# Altium PCB блок вычислительный_v1.PcbDoc (part 1 of 2) (continued)
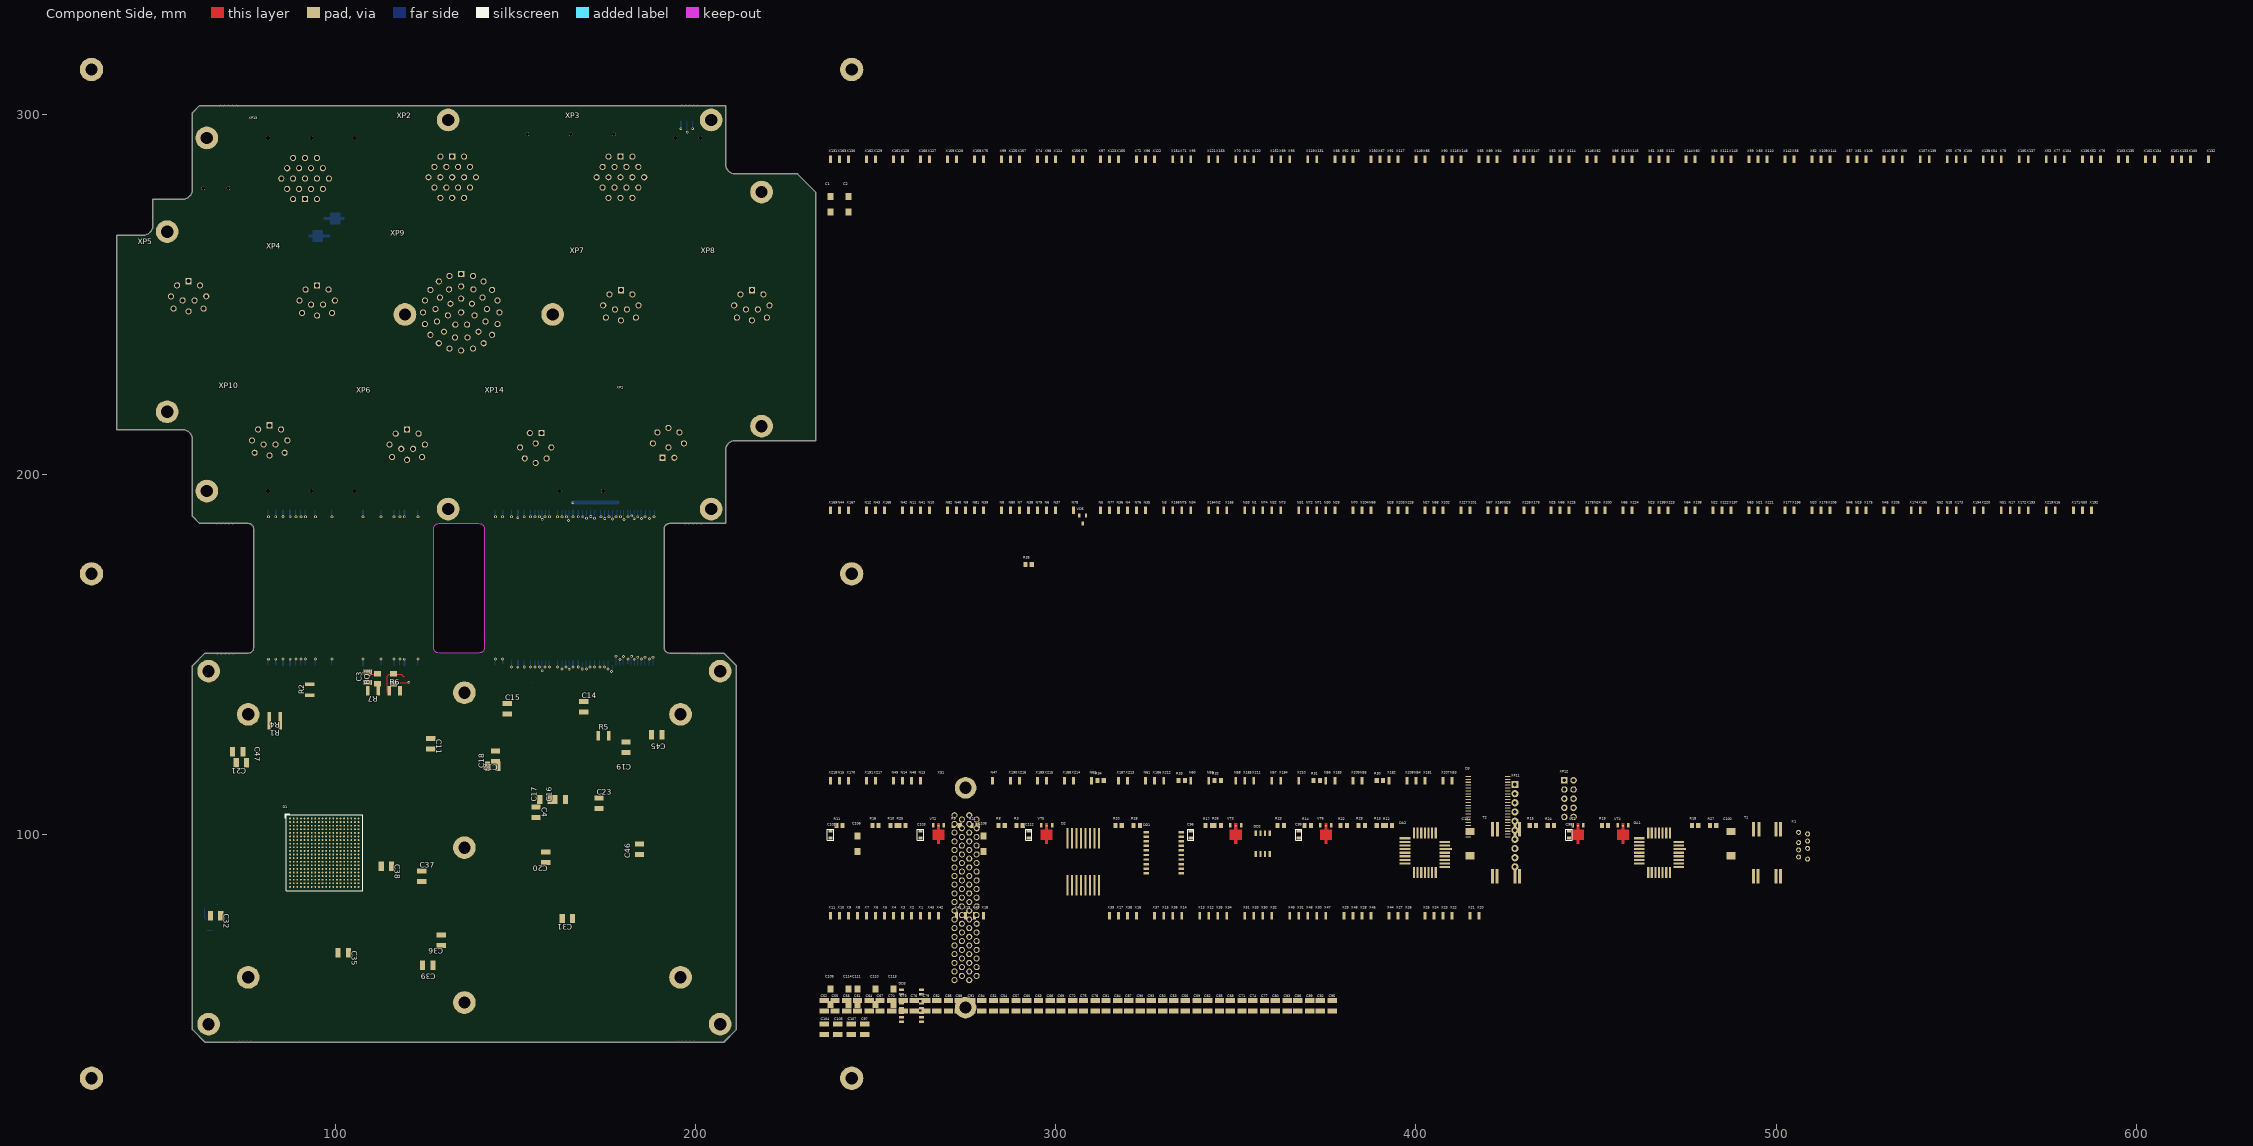
[diagram p0: Component Side view]
## Components (designator, comment, footprint, x,y, rotation, side; value= is the part's Value field where it differs from the comment) (continued)
R20 "47кОм" P1-12-0.125(0805) 317.5,102.5 r180 top
R21 "47кОм" P1-12-0.125(0805) 277.5,102.5 r180 top
R22 "47кОм" P1-12-0.125(0805) 380,102.5 r180 top
R23 "47кОм" P1-12-0.125(0805) 362.5,102.5 r180 top
R24 "47кОм" P1-12-0.125(0805) 437.5,102.5 r180 top
R25 "47кОм" P1-12-0.125(0805) 257.5,102.5 r180 top
R26 "47кОм" P1-12-0.125(0805) 345,102.5 r180 top
R27 "47кОм" P1-12-0.125(0805) 482.5,102.5 r180 top
R28 "47кОм" P1-12-0.125(0805) 322.5,102.5 r180 top
R29 "47кОм" P1-12-0.125(0805) 385,102.5 r180 top
R30 "47кОм" P1-12-0.125(0805) 390,115 r180 top
R31 "47кОм" P1-12-0.125(0805) 372.5,115 r180 top
R32 "47кОм" P1-12-0.125(0805) 345,115 r180 top
R33 "47кОм" P1-12-0.125(0805) 335,115 r180 top
R34 "47кОм" P1-12-0.125(0805) 312.5,115 r180 top
R35 "10кОм" P1-12-0.125(0805) 292.5,175 r180 top
VD1 "2Д707АС9" KT-46 122,259.25 r270 bottom
VD2 "2Д707АС9" KT-46 153.75,235.75 r90 bottom
VD3 "2ДШ2123Г95" KT-99-1 97.5,271 r90 bottom
VD4 "2ДШ2123Г95" KT-99-1 97.75,266.25 r270 bottom
VD5 "2Д707АС9" KT-46 307.5,187.5 r180 top
VT1 "2T665A9" KT-99-1 445,102.5 r180 top
VT2 "2T665A9" KT-99-1 267.5,102.5 r180 top
VT3 "2T665A9" KT-99-1 350,102.5 r180 top
VT4 "2T664A9" KT-99-1 457.5,102.5 r180 top
VT5 "2T664A9" KT-99-1 297.5,102.5 r180 top
VT6 "2T664A9" KT-99-1 375,102.5 r180 top
X1 "CONT" ПЛАН_ПЛОЩ 262.5,77.5 r270 top
X2 "CONT" ПЛАН_ПЛОЩ 260,77.5 r270 top
X3 "CONT" ПЛАН_ПЛОЩ 257.5,77.5 r270 top
X4 "CONT" ПЛАН_ПЛОЩ 255,77.5 r270 top
X5 "CONT" ПЛАН_ПЛОЩ 252.5,77.5 r270 top
X6 "CONT" ПЛАН_ПЛОЩ 250,77.5 r270 top
X7 "CONT" ПЛАН_ПЛОЩ 247.5,77.5 r270 top
X8 "CONT" ПЛАН_ПЛОЩ 245,77.5 r270 top
X9 "CONT" ПЛАН_ПЛОЩ 242.5,77.5 r270 top
X10 "CONT" ПЛАН_ПЛОЩ 240,77.5 r270 top
X11 "CONT" ПЛАН_ПЛОЩ 237.5,77.5 r270 top
X12 "CONT" ПЛАН_ПЛОЩ 342.5,77.5 r270 top
X13 "CONT" ПЛАН_ПЛОЩ 340,77.5 r270 top
X14 "CONT" ПЛАН_ПЛОЩ 335,77.5 r270 top
X15 "CONT" ПЛАН_ПЛОЩ 330,77.5 r270 top
X16 "CONT" ПЛАН_ПЛОЩ 322.5,77.5 r270 top
X17 "CONT" ПЛАН_ПЛОЩ 317.5,77.5 r270 top
X18 "CONT" ПЛАН_ПЛОЩ 280,77.5 r270 top
X19 "CONT" ПЛАН_ПЛОЩ 275,77.5 r270 top
X20 "CONT" ПЛАН_ПЛОЩ 417.5,77.5 r270 top
X21 "CONT" ПЛАН_ПЛОЩ 415,77.5 r270 top
X22 "CONT" ПЛАН_ПЛОЩ 410,77.5 r270 top
X23 "CONT" ПЛАН_ПЛОЩ 407.5,77.5 r270 top
X24 "CONT" ПЛАН_ПЛОЩ 405,77.5 r270 top
X25 "CONT" ПЛАН_ПЛОЩ 402.5,77.5 r270 top
X26 "CONT" ПЛАН_ПЛОЩ 397.5,77.5 r270 top
X27 "CONT" ПЛАН_ПЛОЩ 395,77.5 r270 top
X28 "CONT" ПЛАН_ПЛОЩ 385,77.5 r270 top
X29 "CONT" ПЛАН_ПЛОЩ 380,77.5 r270 top
X30 "CONT" ПЛАН_ПЛОЩ 372.5,77.5 r270 top
X31 "CONT" ПЛАН_ПЛОЩ 367.5,77.5 r270 top
X32 "CONT" ПЛАН_ПЛОЩ 360,77.5 r270 top
X33 "CONT" ПЛАН_ПЛОЩ 355,77.5 r270 top
X34 "CONT" ПЛАН_ПЛОЩ 347.5,77.5 r270 top
X35 "CONT" ПЛАН_ПЛОЩ 345,77.5 r270 top
X36 "CONT" ПЛАН_ПЛОЩ 332.5,77.5 r270 top
X37 "CONT" ПЛАН_ПЛОЩ 327.5,77.5 r270 top
X38 "CONT" ПЛАН_ПЛОЩ 320,77.5 r270 top
X39 "CONT" ПЛАН_ПЛОЩ 315,77.5 r270 top
X40 "CONT" ПЛАН_ПЛОЩ 277.5,77.5 r270 top
X41 "CONT" ПЛАН_ПЛОЩ 272.5,77.5 r270 top
X42 "CONT" ПЛАН_ПЛОЩ 267.5,77.5 r270 top
X43 "CONT" ПЛАН_ПЛОЩ 265,77.5 r270 top
X44 "CONT" ПЛАН_ПЛОЩ 392.5,77.5 r270 top
X45 "CONT" ПЛАН_ПЛОЩ 387.5,77.5 r270 top
X46 "CONT" ПЛАН_ПЛОЩ 382.5,77.5 r270 top
X47 "CONT" ПЛАН_ПЛОЩ 375,77.5 r270 top
X48 "CONT" ПЛАН_ПЛОЩ 370,77.5 r270 top
X49 "CONT" ПЛАН_ПЛОЩ 365,77.5 r270 top
X50 "CONT" ПЛАН_ПЛОЩ 357.5,77.5 r270 top
X51 "CONT" ПЛАН_ПЛОЩ 352.5,77.5 r270 top
X52 "CONT" ПЛАН_ПЛОЩ 587.5,287.5 r270 top
X53 "CONT" ПЛАН_ПЛОЩ 575,287.5 r270 top
X54 "CONT" ПЛАН_ПЛОЩ 560,287.5 r270 top
X55 "CONT" ПЛАН_ПЛОЩ 547.5,287.5 r270 top
X56 "CONT" ПЛАН_ПЛОЩ 532.5,287.5 r270 top
X57 "CONT" ПЛАН_ПЛОЩ 520,287.5 r270 top
X58 "CONT" ПЛАН_ПЛОЩ 505,287.5 r270 top
X59 "CONT" ПЛАН_ПЛОЩ 492.5,287.5 r270 top
X60 "CONT" ПЛАН_ПЛОЩ 477.5,287.5 r270 top
X61 "CONT" ПЛАН_ПЛОЩ 465,287.5 r270 top
X62 "CONT" ПЛАН_ПЛОЩ 450,287.5 r270 top
X63 "CONT" ПЛАН_ПЛОЩ 437.5,287.5 r270 top
X64 "CONT" ПЛАН_ПЛОЩ 422.5,287.5 r270 top
X65 "CONT" ПЛАН_ПЛОЩ 417.5,287.5 r270 top
X66 "CONT" ПЛАН_ПЛОЩ 402.5,287.5 r270 top
X67 "CONT" ПЛАН_ПЛОЩ 390,287.5 r270 top
X68 "CONT" ПЛАН_ПЛОЩ 377.5,287.5 r270 top
X69 "CONT" ПЛАН_ПЛОЩ 362.5,287.5 r270 top
X70 "CONT" ПЛАН_ПЛОЩ 350,287.5 r270 top
X71 "CONT" ПЛАН_ПЛОЩ 335,287.5 r270 top
X72 "CONT" ПЛАН_ПЛОЩ 322.5,287.5 r270 top
X73 "CONT" ПЛАН_ПЛОЩ 307.5,287.5 r270 top
X74 "CONT" ПЛАН_ПЛОЩ 295,287.5 r270 top
X75 "CONT" ПЛАН_ПЛОЩ 280,287.5 r270 top
X76 "CONT" ПЛАН_ПЛОЩ 590,287.5 r270 top
X77 "CONT" ПЛАН_ПЛОЩ 577.5,287.5 r270 top
X78 "CONT" ПЛАН_ПЛОЩ 562.5,287.5 r270 top
X79 "CONT" ПЛАН_ПЛОЩ 550,287.5 r270 top
X80 "CONT" ПЛАН_ПЛОЩ 535,287.5 r270 top
X81 "CONT" ПЛАН_ПЛОЩ 522.5,287.5 r270 top
X82 "CONT" ПЛАН_ПЛОЩ 510,287.5 r270 top
X83 "CONT" ПЛАН_ПЛОЩ 495,287.5 r270 top
X84 "CONT" ПЛАН_ПЛОЩ 482.5,287.5 r270 top
X85 "CONT" ПЛАН_ПЛОЩ 467.5,287.5 r270 top
X86 "CONT" ПЛАН_ПЛОЩ 455,287.5 r270 top
X87 "CONT" ПЛАН_ПЛОЩ 440,287.5 r270 top
X88 "CONT" ПЛАН_ПЛОЩ 427.5,287.5 r270 top
X89 "CONT" ПЛАН_ПЛОЩ 420,287.5 r270 top
X90 "CONT" ПЛАН_ПЛОЩ 407.5,287.5 r270 top
X91 "CONT" ПЛАН_ПЛОЩ 392.5,287.5 r270 top
X92 "CONT" ПЛАН_ПЛОЩ 380,287.5 r270 top
X93 "CONT" ПЛАН_ПЛОЩ 365,287.5 r270 top
X94 "CONT" ПЛАН_ПЛОЩ 352.5,287.5 r270 top
X95 "CONT" ПЛАН_ПЛОЩ 337.5,287.5 r270 top
X96 "CONT" ПЛАН_ПЛОЩ 325,287.5 r270 top
X97 "CONT" ПЛАН_ПЛОЩ 312.5,287.5 r270 top
X98 "CONT" ПЛАН_ПЛОЩ 297.5,287.5 r270 top
X99 "CONT" ПЛАН_ПЛОЩ 285,287.5 r270 top
X100 "CONT" ПЛАН_ПЛОЩ 615,287.5 r270 top
X101 "CONT" ПЛАН_ПЛОЩ 610,287.5 r270 top
X102 "CONT" ПЛАН_ПЛОЩ 602.5,287.5 r270 top
X103 "CONT" ПЛАН_ПЛОЩ 595,287.5 r270 top
X104 "CONT" ПЛАН_ПЛОЩ 580,287.5 r270 top
X105 "CONT" ПЛАН_ПЛОЩ 567.5,287.5 r270 top
X106 "CONT" ПЛАН_ПЛОЩ 552.5,287.5 r270 top
X107 "CONT" ПЛАН_ПЛОЩ 540,287.5 r270 top
X108 "CONT" ПЛАН_ПЛОЩ 525,287.5 r270 top
X109 "CONT" ПЛАН_ПЛОЩ 512.5,287.5 r270 top
X110 "CONT" ПЛАН_ПЛОЩ 497.5,287.5 r270 top
X111 "CONT" ПЛАН_ПЛОЩ 485,287.5 r270 top
X112 "CONT" ПЛАН_ПЛОЩ 470,287.5 r270 top
X113 "CONT" ПЛАН_ПЛОЩ 457.5,287.5 r270 top
X114 "CONT" ПЛАН_ПЛОЩ 442.5,287.5 r270 top
X115 "CONT" ПЛАН_ПЛОЩ 430,287.5 r270 top
X116 "CONT" ПЛАН_ПЛОЩ 410,287.5 r270 top
X117 "CONT" ПЛАН_ПЛОЩ 395,287.5 r270 top
X118 "CONT" ПЛАН_ПЛОЩ 382.5,287.5 r270 top
X119 "CONT" ПЛАН_ПЛОЩ 370,287.5 r270 top
X120 "CONT" ПЛАН_ПЛОЩ 355,287.5 r270 top
X121 "CONT" ПЛАН_ПЛОЩ 342.5,287.5 r270 top
X122 "CONT" ПЛАН_ПЛОЩ 327.5,287.5 r270 top
X123 "CONT" ПЛАН_ПЛОЩ 315,287.5 r270 top
X124 "CONT" ПЛАН_ПЛОЩ 300,287.5 r270 top
X125 "CONT" ПЛАН_ПЛОЩ 287.5,287.5 r270 top
X126 "CONT" ПЛАН_ПЛОЩ 272.5,287.5 r270 top
X127 "CONT" ПЛАН_ПЛОЩ 265,287.5 r270 top
X128 "CONT" ПЛАН_ПЛОЩ 257.5,287.5 r270 top
X129 "CONT" ПЛАН_ПЛОЩ 250,287.5 r270 top
X130 "CONT" ПЛАН_ПЛОЩ 242.5,287.5 r270 top
X131 "CONT" ПЛАН_ПЛОЩ 237.5,287.5 r270 top
X132 "CONT" ПЛАН_ПЛОЩ 620,287.5 r270 top
X133 "CONT" ПЛАН_ПЛОЩ 612.5,287.5 r270 top
X134 "CONT" ПЛАН_ПЛОЩ 605,287.5 r270 top
X135 "CONT" ПЛАН_ПЛОЩ 597.5,287.5 r270 top
X136 "CONT" ПЛАН_ПЛОЩ 585,287.5 r270 top
X137 "CONT" ПЛАН_ПЛОЩ 570,287.5 r270 top
X138 "CONT" ПЛАН_ПЛОЩ 557.5,287.5 r270 top
X139 "CONT" ПЛАН_ПЛОЩ 542.5,287.5 r270 top
X140 "CONT" ПЛАН_ПЛОЩ 530,287.5 r270 top
X141 "CONT" ПЛАН_ПЛОЩ 515,287.5 r270 top
X142 "CONT" ПЛАН_ПЛОЩ 502.5,287.5 r270 top
X143 "CONT" ПЛАН_ПЛОЩ 487.5,287.5 r270 top
X144 "CONT" ПЛАН_ПЛОЩ 475,287.5 r270 top
X145 "CONT" ПЛАН_ПЛОЩ 460,287.5 r270 top
X146 "CONT" ПЛАН_ПЛОЩ 447.5,287.5 r270 top
X147 "CONT" ПЛАН_ПЛОЩ 432.5,287.5 r270 top
X148 "CONT" ПЛАН_ПЛОЩ 412.5,287.5 r270 top
X149 "CONT" ПЛАН_ПЛОЩ 400,287.5 r270 top
X150 "CONT" ПЛАН_ПЛОЩ 387.5,287.5 r270 top
X151 "CONT" ПЛАН_ПЛОЩ 372.5,287.5 r270 top
X152 "CONT" ПЛАН_ПЛОЩ 360,287.5 r270 top
X153 "CONT" ПЛАН_ПЛОЩ 345,287.5 r270 top
X154 "CONT" ПЛАН_ПЛОЩ 332.5,287.5 r270 top
X155 "CONT" ПЛАН_ПЛОЩ 317.5,287.5 r270 top
X156 "CONT" ПЛАН_ПЛОЩ 305,287.5 r270 top
X157 "CONT" ПЛАН_ПЛОЩ 290,287.5 r270 top
X158 "CONT" ПЛАН_ПЛОЩ 277.5,287.5 r270 top
X159 "CONT" ПЛАН_ПЛОЩ 270,287.5 r270 top
X160 "CONT" ПЛАН_ПЛОЩ 262.5,287.5 r270 top
X161 "CONT" ПЛАН_ПЛОЩ 255,287.5 r270 top
X162 "CONT" ПЛАН_ПЛОЩ 247.5,287.5 r270 top
X163 "CONT" ПЛАН_ПЛОЩ 240,287.5 r270 top
X164 "CONT" ПЛАН_ПЛОЩ 342.5,190 r270 top
X165 "CONT" ПЛАН_ПЛОЩ 347.5,190 r270 top
X166 "CONT" ПЛАН_ПЛОЩ 332.5,190 r270 top
X167 "CONT" ПЛАН_ПЛОЩ 242.5,190 r270 top
X168 "CONT" ПЛАН_ПЛОЩ 252.5,190 r270 top
X169 "CONT" ПЛАН_ПЛОЩ 237.5,190 r270 top
X170 "CONT" ПЛАН_ПЛОЩ 242.5,115 r270 top
X171 "CONT" ПЛАН_ПЛОЩ 582.5,190 r270 top
X172 "CONT" ПЛАН_ПЛОЩ 567.5,190 r270 top
X173 "CONT" ПЛАН_ПЛОЩ 550,190 r270 top
X174 "CONT" ПЛАН_ПЛОЩ 537.5,190 r270 top
X175 "CONT" ПЛАН_ПЛОЩ 525,190 r270 top
X176 "CONT" ПЛАН_ПЛОЩ 512.5,190 r270 top
X177 "CONT" ПЛАН_ПЛОЩ 502.5,190 r270 top
X178 "CONT" ПЛАН_ПЛОЩ 447.5,190 r270 top
X179 "CONT" ПЛАН_ПЛОЩ 432.5,190 r270 top
X180 "CONT" ПЛАН_ПЛОЩ 422.5,190 r270 top
X181 "CONT" ПЛАН_ПЛОЩ 402.5,115 r270 top
X182 "CONT" ПЛАН_ПЛОЩ 392.5,115 r270 top
X183 "CONT" ПЛАН_ПЛОЩ 377.5,115 r270 top
X184 "CONT" ПЛАН_ПЛОЩ 362.5,115 r270 top
X185 "CONT" ПЛАН_ПЛОЩ 352.5,115 r270 top
X186 "CONT" ПЛАН_ПЛОЩ 327.5,115 r270 top
X187 "CONT" ПЛАН_ПЛОЩ 317.5,115 r270 top
X188 "CONT" ПЛАН_ПЛОЩ 302.5,115 r270 top
X189 "CONT" ПЛАН_ПЛОЩ 295,115 r270 top
X190 "CONT" ПЛАН_ПЛОЩ 287.5,115 r270 top
X191 "CONT" ПЛАН_ПЛОЩ 247.5,115 r270 top
X192 "CONT" ПЛАН_ПЛОЩ 587.5,190 r270 top
X193 "CONT" ПЛАН_ПЛОЩ 570,190 r270 top
X194 "CONT" ПЛАН_ПЛОЩ 555,190 r270 top
X195 "CONT" ПЛАН_ПЛОЩ 540,190 r270 top
X196 "CONT" ПЛАН_ПЛОЩ 505,190 r270 top
X197 "CONT" ПЛАН_ПЛОЩ 487.5,190 r270 top
X198 "CONT" ПЛАН_ПЛОЩ 477.5,190 r270 top
X199 "CONT" ПЛАН_ПЛОЩ 467.5,190 r270 top
X200 "CONT" ПЛАН_ПЛОЩ 452.5,190 r270 top
X201 "CONT" ПЛАН_ПЛОЩ 415,190 r270 top
X202 "CONT" ПЛАН_ПЛОЩ 407.5,190 r270 top
X203 "CONT" ПЛАН_ПЛОЩ 395,190 r270 top
X204 "CONT" ПЛАН_ПЛОЩ 385,190 r270 top
X205 "CONT" ПЛАН_ПЛОЩ 532.5,190 r270 top
X206 "CONT" ПЛАН_ПЛОЩ 515,190 r270 top
X207 "CONT" ПЛАН_ПЛОЩ 407.5,115 r270 top
X208 "CONT" ПЛАН_ПЛОЩ 397.5,115 r270 top
X209 "CONT" ПЛАН_ПЛОЩ 382.5,115 r270 top
X210 "CONT" ПЛАН_ПЛОЩ 367.5,115 r270 top
X211 "CONT" ПЛАН_ПЛОЩ 355,115 r270 top
X212 "CONT" ПЛАН_ПЛОЩ 330,115 r270 top
X213 "CONT" ПЛАН_ПЛОЩ 320,115 r270 top
X214 "CONT" ПЛАН_ПЛОЩ 305,115 r270 top
X215 "CONT" ПЛАН_ПЛОЩ 297.5,115 r270 top
X216 "CONT" ПЛАН_ПЛОЩ 290,115 r270 top
X217 "CONT" ПЛАН_ПЛОЩ 250,115 r270 top
X218 "CONT" ПЛАН_ПЛОЩ 237.5,115 r270 top
X219 "CONT" ПЛАН_ПЛОЩ 575,190 r270 top
X220 "CONT" ПЛАН_ПЛОЩ 557.5,190 r270 top
X221 "CONT" ПЛАН_ПЛОЩ 497.5,190 r270 top
X222 "CONT" ПЛАН_ПЛОЩ 485,190 r270 top
X223 "CONT" ПЛАН_ПЛОЩ 470,190 r270 top
X224 "CONT" ПЛАН_ПЛОЩ 460,190 r270 top
X225 "CONT" ПЛАН_ПЛОЩ 442.5,190 r270 top
X226 "CONT" ПЛАН_ПЛОЩ 430,190 r270 top
X227 "CONT" ПЛАН_ПЛОЩ 412.5,190 r270 top
X228 "CONT" ПЛАН_ПЛОЩ 397.5,190 r270 top
XP1 "СНЦ144-8" XP_СНЦ144-8_13-Вилка 192.5,208.62 r180 top value="Вилка СНЦ144-8/13ВП21-NWПС"
XP2 "СНЦ144-19" XP_СНЦ144-19/15-вилка 132.5,282.5 r0 top value="Вилка СНЦ144-19/15ВП21-NWПС"
XP3 "СНЦ144-19" XP_СНЦ144-19/15-вилка 179.2,282.5 r0 top value="Вилка СНЦ144-19/15ВП21-NWПС"
XP4 "СНЦ144-10" XP_СНЦ144-10_13-вилка 95,247.5 r0 top value="Вилка СНЦ144-10/13ВП21-NWПС"
XP5 "СНЦ144-10" XP_СНЦ144-10_13-вилка 59.32,248.69 r0 top value="Вилка СНЦ144-10/13ВП21-NWПС"
XP6 "СНЦ144-10" XP_СНЦ144-10_13-вилка 120,207.5 r0 top value="Вилка СНЦ144-10/13ВП21-NWПС"
XP7 "СНЦ144-10" XP_СНЦ144-10_13-вилка 179.32,246.19 r0 top value="Вилка СНЦ144-10/13ВП21-NWПС"
XP8 "СНЦ144-10" XP_СНЦ144-10_13-вилка 215.68,246.19 r0 top value="Вилка СНЦ144-10/13ВП21-NWПС"
XP9 "СНЦ144-41" XP_СНЦ144-41_21-вилка 135,245 r0 top value="Вилка СНЦ144-41/21ВП21-NWПС"
XP10 "СНЦ144-10" XP_СНЦ144-10_13-вилка 81.82,208.69 r0 top value="Вилка СНЦ144-10/13ВП21-NWПС"
XP11 "PBS-10(R)" PBS-10R 427.5,102.5 r270 top value="B10B-PUDSS-1, JST (JAPAN SOLDERLESS TERMINALS)"
XP12 "ARM10PIN_КОНТ" PLD-10 442.5,110 r270 top value="Вилка СНП346-10ВП21-2В"
XP13 "СНЦ144-19" XP_СНЦ144-19/15-вилка 91.65,282.13 r180 top value="Вилка СНЦ144-19/15ВП21-NWПС"
XP14 "СНЦ144-8" XP_СНЦ144-8_13-Вилка 155.68,207.5 r0 top value="Вилка СНЦ144-8/13ВП21-NWПС"
XS1 "ВИЛКА DS1077-78M" DS-1077-78F 275,82.5 r180 top value="DS1077-78FB8(0)TSS, Connfly Electronic"
Т1 "#NAME?" ТИЛ6В 497.5,95 r270 top
Т2 "#NAME?" ТИЛ6В 425,95 r270 top

## Footprints (in the part's own frame and the unit in brackets; to place one, negate y for a bottom-side part, rotate by r counter-clockwise, add the part's x,y. Pads: shape width x height; smd on the part's side, far side on the other; paste and mask are expansions set on the pad)
1554КП12ТБ [mm]
  rect 5.75x0.6 smd paste-25.4 mask-25.4: 1(-6.525,4.5) 2(-6.525,3.25) 3(-6.525,2) 4(-6.525,0.75) 5(-6.525,-0.5) 6(-6.525,-1.75) 7(-6.525,-3) 8(-6.525,-4.25) 9(6.525,-4.25) 10(6.525,-3) 11(6.525,-1.75) 12(6.525,-0.5) 13(6.525,0.75) 14(6.525,2) 15(6.525,3.25) 16(6.525,4.5)
  round 0 smd paste-25.4 mask-25.4: 1(-5.275,4.5) 1(5.275,4.5)
BGA-400_21.0X21.0MM_LAYOUT20X20_P1.0MM [mm]
  round 0.5 smd: A1(-9.5,9.5) A2(-8.5,9.5) A3(-7.5,9.5) A4(-6.5,9.5) A5(-5.5,9.5) A6(-4.5,9.5) A7(-3.5,9.5) A8(-2.5,9.5) A9(-1.5,9.5) A10(-0.5,9.5) A11(0.5,9.5) A12(1.5,9.5) A13(2.5,9.5) A14(3.5,9.5) A15(4.5,9.5) A16(5.5,9.5) A17(6.5,9.5) A18(7.5,9.5) A19(8.5,9.5) A20(9.5,9.5) B1(-9.5,8.5) B2(-8.5,8.5) B3(-7.5,8.5) B4(-6.5,8.5) B5(-5.5,8.5) B6(-4.5,8.5) B7(-3.5,8.5) B8(-2.5,8.5) B9(-1.5,8.5) B10(-0.5,8.5) B11(0.5,8.5) B12(1.5,8.5) B13(2.5,8.5) B14(3.5,8.5) B15(4.5,8.5) B16(5.5,8.5) B17(6.5,8.5) B18(7.5,8.5) B19(8.5,8.5) B20(9.5,8.5) C1(-9.5,7.5) C2(-8.5,7.5) C3(-7.5,7.5) C4(-6.5,7.5) C5(-5.5,7.5) C6(-4.5,7.5) C7(-3.5,7.5) C8(-2.5,7.5) C9(-1.5,7.5) C10(-0.5,7.5) C11(0.5,7.5) C12(1.5,7.5) C13(2.5,7.5) C14(3.5,7.5) C15(4.5,7.5) C16(5.5,7.5) C17(6.5,7.5) C18(7.5,7.5) C19(8.5,7.5) C20(9.5,7.5) D1(-9.5,6.5) D2(-8.5,6.5) D3(-7.5,6.5) D4(-6.5,6.5) D5(-5.5,6.5) D6(-4.5,6.5) D7(-3.5,6.5) D8(-2.5,6.5) D9(-1.5,6.5) D10(-0.5,6.5) D11(0.5,6.5) D12(1.5,6.5) D13(2.5,6.5) D14(3.5,6.5) D15(4.5,6.5) D16(5.5,6.5) D17(6.5,6.5) D18(7.5,6.5) D19(8.5,6.5) D20(9.5,6.5) E1(-9.5,5.5) E2(-8.5,5.5) E3(-7.5,5.5) E4(-6.5,5.5) E5(-5.5,5.5) E6(-4.5,5.5) E7(-3.5,5.5) E8(-2.5,5.5) E9(-1.5,5.5) E10(-0.5,5.5) E11(0.5,5.5) E12(1.5,5.5) E13(2.5,5.5) E14(3.5,5.5) E15(4.5,5.5) E16(5.5,5.5) E17(6.5,5.5) E18(7.5,5.5) E19(8.5,5.5) E20(9.5,5.5) F1(-9.5,4.5) F2(-8.5,4.5) F3(-7.5,4.5) F4(-6.5,4.5) F5(-5.5,4.5) F6(-4.5,4.5) F7(-3.5,4.5) F8(-2.5,4.5) F9(-1.5,4.5) F10(-0.5,4.5) F11(0.5,4.5) F12(1.5,4.5) F13(2.5,4.5) F14(3.5,4.5) F15(4.5,4.5) F16(5.5,4.5) F17(6.5,4.5) F18(7.5,4.5) F19(8.5,4.5) F20(9.5,4.5) G1(-9.5,3.5) G2(-8.5,3.5) G3(-7.5,3.5) G4(-6.5,3.5) G5(-5.5,3.5) G6(-4.5,3.5) G7(-3.5,3.5) G8(-2.5,3.5) G9(-1.5,3.5) G10(-0.5,3.5) G11(0.5,3.5) G12(1.5,3.5) G13(2.5,3.5) G14(3.5,3.5) G15(4.5,3.5) G16(5.5,3.5) G17(6.5,3.5) G18(7.5,3.5) G19(8.5,3.5) G20(9.5,3.5) H1(-9.5,2.5) H2(-8.5,2.5) H3(-7.5,2.5) H4(-6.5,2.5) H5(-5.5,2.5) H6(-4.5,2.5) H7(-3.5,2.5) H8(-2.5,2.5) H9(-1.5,2.5) H10(-0.5,2.5) H11(0.5,2.5) H12(1.5,2.5) H13(2.5,2.5) H14(3.5,2.5) H15(4.5,2.5) H16(5.5,2.5) H17(6.5,2.5) H18(7.5,2.5) H19(8.5,2.5) H20(9.5,2.5) J1(-9.5,1.5) J2(-8.5,1.5) J3(-7.5,1.5) J4(-6.5,1.5) J5(-5.5,1.5) J6(-4.5,1.5) J7(-3.5,1.5) J8(-2.5,1.5) J9(-1.5,1.5) J10(-0.5,1.5) J11(0.5,1.5) J12(1.5,1.5) J13(2.5,1.5) J14(3.5,1.5) J15(4.5,1.5) J16(5.5,1.5) J17(6.5,1.5) J18(7.5,1.5) J19(8.5,1.5) J20(9.5,1.5) K1(-9.5,0.5) K2(-8.5,0.5) K3(-7.5,0.5) K4(-6.5,0.5) K5(-5.5,0.5) K6(-4.5,0.5) K7(-3.5,0.5) K8(-2.5,0.5) K9(-1.5,0.5) K10(-0.5,0.5) K11(0.5,0.5) K12(1.5,0.5) K13(2.5,0.5) K14(3.5,0.5) K15(4.5,0.5) K16(5.5,0.5) K17(6.5,0.5) K18(7.5,0.5) K19(8.5,0.5) K20(9.5,0.5) L1(-9.5,-0.5) L2(-8.5,-0.5) L3(-7.5,-0.5) L4(-6.5,-0.5) L5(-5.5,-0.5) L6(-4.5,-0.5) L7(-3.5,-0.5) L8(-2.5,-0.5) L9(-1.5,-0.5) L10(-0.5,-0.5) L11(0.5,-0.5) L12(1.5,-0.5) L13(2.5,-0.5) L14(3.5,-0.5) L15(4.5,-0.5) L16(5.5,-0.5) L17(6.5,-0.5) L18(7.5,-0.5) L19(8.5,-0.5) L20(9.5,-0.5) M1(-9.5,-1.5) M2(-8.5,-1.5) M3(-7.5,-1.5) M4(-6.5,-1.5) M5(-5.5,-1.5) M6(-4.5,-1.5) M7(-3.5,-1.5) M8(-2.5,-1.5) M9(-1.5,-1.5) M10(-0.5,-1.5) M11(0.5,-1.5) M12(1.5,-1.5) M13(2.5,-1.5) M14(3.5,-1.5) M15(4.5,-1.5) M16(5.5,-1.5) M17(6.5,-1.5) M18(7.5,-1.5) M19(8.5,-1.5) M20(9.5,-1.5) N1(-9.5,-2.5) N2(-8.5,-2.5) N3(-7.5,-2.5) N4(-6.5,-2.5) N5(-5.5,-2.5) N6(-4.5,-2.5) N7(-3.5,-2.5) N8(-2.5,-2.5) N9(-1.5,-2.5) N10(-0.5,-2.5) N11(0.5,-2.5) N12(1.5,-2.5) N13(2.5,-2.5) N14(3.5,-2.5) N15(4.5,-2.5) N16(5.5,-2.5) N17(6.5,-2.5) N18(7.5,-2.5) N19(8.5,-2.5) N20(9.5,-2.5) P1(-9.5,-3.5) P2(-8.5,-3.5) P3(-7.5,-3.5) P4(-6.5,-3.5) P5(-5.5,-3.5) P6(-4.5,-3.5) P7(-3.5,-3.5) P8(-2.5,-3.5) P9(-1.5,-3.5) P10(-0.5,-3.5) P11(0.5,-3.5) P12(1.5,-3.5) P13(2.5,-3.5) P14(3.5,-3.5) P15(4.5,-3.5) P16(5.5,-3.5) P17(6.5,-3.5) P18(7.5,-3.5) P19(8.5,-3.5) P20(9.5,-3.5) Q1(-9.5,-4.5) Q2(-8.5,-4.5) Q3(-7.5,-4.5) Q4(-6.5,-4.5) Q5(-5.5,-4.5) Q6(-4.5,-4.5) Q7(-3.5,-4.5) Q8(-2.5,-4.5) Q9(-1.5,-4.5) Q10(-0.5,-4.5) Q11(0.5,-4.5) Q12(1.5,-4.5) Q13(2.5,-4.5) Q14(3.5,-4.5) Q15(4.5,-4.5) Q16(5.5,-4.5) Q17(6.5,-4.5) Q18(7.5,-4.5) Q19(8.5,-4.5) Q20(9.5,-4.5) R1(-9.5,-5.5) R2(-8.5,-5.5) R3(-7.5,-5.5) R4(-6.5,-5.5) R5(-5.5,-5.5) R6(-4.5,-5.5) R7(-3.5,-5.5) R8(-2.5,-5.5) R9(-1.5,-5.5) R10(-0.5,-5.5) R11(0.5,-5.5) R12(1.5,-5.5) R13(2.5,-5.5) R14(3.5,-5.5) R15(4.5,-5.5) R16(5.5,-5.5) R17(6.5,-5.5) R18(7.5,-5.5) R19(8.5,-5.5) R20(9.5,-5.5) S1(-9.5,-6.5) S2(-8.5,-6.5) S3(-7.5,-6.5) S4(-6.5,-6.5) S5(-5.5,-6.5) S6(-4.5,-6.5) S7(-3.5,-6.5) S8(-2.5,-6.5) S9(-1.5,-6.5) S10(-0.5,-6.5) S11(0.5,-6.5) S12(1.5,-6.5) S13(2.5,-6.5) S14(3.5,-6.5) S15(4.5,-6.5) S16(5.5,-6.5) S17(6.5,-6.5) S18(7.5,-6.5) S19(8.5,-6.5) S20(9.5,-6.5) T1(-9.5,-7.5) T2(-8.5,-7.5) T3(-7.5,-7.5) T4(-6.5,-7.5) T5(-5.5,-7.5) T6(-4.5,-7.5) T7(-3.5,-7.5) T8(-2.5,-7.5) T9(-1.5,-7.5) T10(-0.5,-7.5) T11(0.5,-7.5) T12(1.5,-7.5) T13(2.5,-7.5) T14(3.5,-7.5) T15(4.5,-7.5) T16(5.5,-7.5) T17(6.5,-7.5) T18(7.5,-7.5) T19(8.5,-7.5) T20(9.5,-7.5) U1(-9.5,-8.5) U2(-8.5,-8.5) U3(-7.5,-8.5) U4(-6.5,-8.5) U5(-5.5,-8.5) U6(-4.5,-8.5) U7(-3.5,-8.5) U8(-2.5,-8.5) U9(-1.5,-8.5) U10(-0.5,-8.5) U11(0.5,-8.5) U12(1.5,-8.5) U13(2.5,-8.5) U14(3.5,-8.5) U15(4.5,-8.5) U16(5.5,-8.5) U17(6.5,-8.5) U18(7.5,-8.5) U19(8.5,-8.5) U20(9.5,-8.5) V1(-9.5,-9.5) V2(-8.5,-9.5) V3(-7.5,-9.5) V4(-6.5,-9.5) V5(-5.5,-9.5) V6(-4.5,-9.5) V7(-3.5,-9.5) V8(-2.5,-9.5) V9(-1.5,-9.5) V10(-0.5,-9.5) V11(0.5,-9.5) V12(1.5,-9.5) V13(2.5,-9.5) V14(3.5,-9.5) V15(4.5,-9.5) V16(5.5,-9.5) V17(6.5,-9.5) V18(7.5,-9.5) V19(8.5,-9.5) V20(9.5,-9.5)
  silkscreen extent -10.8,-10.6 10.6,10.8, body extent -10.5,-10.5 10.5,10.5, height 3.15
C0805 [mm]
  rect 0.8x1.2 smd: 1(-0.95,0) 2(0.95,0)
  Component Side pour cut-out: -0.55,0.6 -0.55,-0.6 0.55,-0.6 0.55,0.6
  silkscreen extent -1.58,-0.85 1.58,0.85, body extent -1,-0.64 1,0.63, height 1.25
C1210 [mm]
  rect 1.4x2.6 smd: 1(-1.45,0) 2(1.45,0)
  body extent -1.63,-1.28 1.57,1.26, height 2.5
DS-1077-78F [mm]
  round 1.7 hole 1.1: 1(3.075,-22.895) 2(3.075,-20.485) 3(3.075,-18.075) 4(3.075,-15.665) 5(3.075,-13.255) 6(3.075,-10.845) 7(3.075,-8.435) 8(3.075,-6.025) 9(3.075,-3.615) 10(3.075,-1.205) 11(3.075,1.205) 12(3.075,3.615) 13(3.075,6.025) 14(3.075,8.435) 15(3.075,10.845) 16(3.075,13.255) 17(3.075,15.665) 18(3.075,18.075) 19(3.075,20.485) 20(3.075,22.895) 21(1.025,-21.69) 22(1.025,-19.28) 23(1.025,-16.87) 24(1.025,-14.46) 25(1.025,-12.05) 26(1.025,-9.64) 27(1.025,-7.23) 28(1.025,-4.82) 29(1.025,-2.41) 30(1.025,0) 31(1.025,2.41) 32(1.025,4.82) 33(1.025,7.23) 34(1.025,9.64) 35(1.025,12.05) 36(1.025,14.46) 37(1.025,16.87) 38(1.025,19.28) 39(1.025,21.69) 40(-1.025,-22.895) 41(-1.025,-20.485) 42(-1.025,-18.075) 43(-1.025,-15.665) 44(-1.025,-13.255) 45(-1.025,-10.845) 46(-1.025,-8.435) 47(-1.025,-6.025) 48(-1.025,-3.615) 49(-1.025,-1.205) 50(-1.025,1.205) 51(-1.025,3.615) 52(-1.025,6.025) 53(-1.025,8.435) 54(-1.025,10.845) 55(-1.025,13.255) 56(-1.025,15.665) 57(-1.025,18.075) 58(-1.025,20.485) 59(-1.025,22.895) 60(-3.075,-21.69) 61(-3.075,-19.28) 62(-3.075,-16.87) 63(-3.075,-14.46) 64(-3.075,-12.05) 65(-3.075,-9.64) 66(-3.075,-7.23) 67(-3.075,-4.82) 68(-3.075,-2.41) 69(-3.075,0) 70(-3.075,2.41) 71(-3.075,4.82) 72(-3.075,7.23) 73(-3.075,9.64) 74(-3.075,12.05) 75(-3.075,14.46) 76(-3.075,16.87) 77(-3.075,19.28) 78(-3.075,21.69)
  round 6 hole 3.4: 79(0,-30.5) 80(0,30.5)
KT-46 [mm]
  rect 0.65x1.1 smd: 1(-0.95,-1.15) 2(0.95,-1.15) 3(0,1.15)
  body extent -1.53,-1.5 1.53,1.5, height 1.2
KT-99-1 [mm]
  rect 0.7x1.2 smd: 1(-1.5,-0.1) 2(1.5,-0.1)
  round 0.5 smd paste-25.4 mask-25.4: 3(0,0)
  Component Side region: -0.35,-0.7 0.35,-0.7 0.35,1.2 1.6,1.2 1.6,3.9 0.35,3.9 0.35,5.05 -0.35,5.05 -0.35,3.9 -1.6,3.9 -1.6,1.2 -0.35,1.2
  body extent -2.3,-0.45 2.3,4.8, height 1.8
N09.28-1B [mm]
  rect 3.5x0.6 smd: 1(-5.75,-1)
  rect 3x0.6 smd: 2(-5.5,-2) 3(-5.5,-3) 11(5.5,-3) 12(5.5,-2) 13(5.5,-1) 14(5.5,0) 15(5.5,1) 16(5.5,2) 17(5.5,3) 25(-5.5,3) 26(-5.5,2) 27(-5.5,1) 28(-5.5,0) 29(5.5,-4) 30(-5.5,4)
  rect 0.6x3 smd: 4(-3,-5.5) 5(-2,-5.5) 6(-1,-5.5) 7(0,-5.5) 8(1,-5.5) 9(2,-5.5) 10(3,-5.5) 18(3,5.5) 19(2,5.5) 20(1,5.5) 21(0,5.5) 22(-1,5.5) 23(-2,5.5) 24(-3,5.5)
P1-12-0.5(1210) [mm]
  rect 1x2.6 smd: 1(-1.5,0) 2(1.5,0)
  body extent -1.6,-1.25 1.6,1.25, height 0.56
P1-12-0.125(0805) [mm]
  rect 1.15x1.4 smd: 1(-0.875,0) 2(0.875,0)
  body extent -1,-0.63 1,0.63, height 0.6
PBS-10R [mm]
  rect 2x2 hole 1 mask+0: 1(-11.43,0)
  round 2 hole 1 mask+0: 2(-8.89,0) 3(-6.35,0) 4(-3.81,0) 5(-1.27,0) 6(1.27,0) 7(3.81,0) 8(6.35,0) 9(8.89,0) 10(11.43,0)
  body extent -12.66,-0.2 12.74,10.1, height 2.55
PLD-10 [mm]
  rect 1.8x1.8 hole 1: 1(-5.08,-1.27)
  round 1.8 hole 1: 2(-5.08,1.27) 3(-2.54,-1.27) 4(-2.54,1.27) 5(0,-1.27) 6(0,1.27) 7(2.54,-1.27) 8(2.54,1.27) 9(5.08,-1.27) 10(5.08,1.27)
  body extent -6.34,-2.5 6.36,2.5, height 8.4
RK463_BQ_RK-463(Primary) [mm]
  rect 2x1.5 smd: 1(2.2,-1.4) 2(-2.2,-1.4) 3(-2.2,1.4) 4(2.2,1.4)
SOIC-8 [mm]
  rect 1.55x0.65 smd: 1(-2.858,1.905) 2(-2.857,0.635) 3(-2.857,-0.635) 4(-2.857,-1.905) 5(2.858,-1.905) 6(2.857,-0.635) 7(2.857,0.635) 8(2.857,1.905)
  body extent -3,-2.45 3,2.45, height 1.75
SOIC-16 [mm]
  rect 1.4x0.65 smd: 1(-2.8,4.445) 2(-2.8,3.175) 3(-2.8,1.905) 4(-2.8,0.635) 5(-2.8,-0.635) 6(-2.8,-1.905) 7(-2.8,-3.175) 8(-2.8,-4.445) 9(2.8,-4.445) 10(2.8,-3.175) 11(2.8,-1.905) 12(2.8,-0.635) 13(2.8,0.635) 14(2.8,1.905) 15(2.8,3.175) 16(2.8,4.445)
  body extent -3,-4.95 3,4.95, height 1.4
SOIC-20 [mm] "SOIC, 20-Leads, Body 12,80x7,50mm, Pitch 1,27mm, IPC Low Density"
  rect 1.5x0.65 smd: 1(-4.85,5.715) 2(-4.85,4.445) 3(-4.85,3.175) 4(-4.85,1.905) 5(-4.85,0.635) 6(-4.85,-0.635) 7(-4.85,-1.905) 8(-4.85,-3.175) 9(-4.85,-4.445) 10(-4.85,-5.715) 11(4.85,-5.715) 12(4.85,-4.445) 13(4.85,-3.175) 14(4.85,-1.905) 15(4.85,-0.635) 16(4.85,0.635) 17(4.85,1.905) 18(4.85,3.175) 19(4.85,4.445) 20(4.85,5.715)
  body extent -5.2,-6.3 5.2,6.3, height 2.6
TSOP-44 [mm]
  rect 1.5x0.3 smd: 1(-5.5,10.65) 2(-5.5,9.85) 3(-5.5,9.05) 4(-5.5,8.25) 5(-5.5,7.45) 6(-5.5,6.65) 7(-5.5,5.85) 8(-5.5,5.05) 9(-5.5,4.25) 10(-5.5,3.45) 11(-5.5,2.65) 12(-5.5,1.85) 13(-5.5,1.05) 14(-5.5,0.25) 15(-5.5,-0.55) 16(-5.5,-1.35) 17(-5.5,-2.15) 18(-5.5,-2.95) 19(-5.5,-3.75) 20(-5.5,-4.55) 21(-5.5,-5.35) 22(-5.5,-6.15) 23(5.5,-6.15) 24(5.5,-5.35) 25(5.5,-4.55) 26(5.5,-3.75) 27(5.5,-2.95) 28(5.5,-2.15) 29(5.5,-1.35) 30(5.5,-0.55) 31(5.5,0.25) 32(5.5,1.05) 33(5.5,1.85) 34(5.5,2.65) 35(5.5,3.45) 36(5.5,4.25) 37(5.5,5.05) 38(5.5,5.85) 39(5.5,6.65) 40(5.5,7.45) 41(5.5,8.25) 42(5.5,9.05) 43(5.5,9.85) 44(5.5,10.65)
XP_СНЦ144-8_13-Вилка [mm]
  rect 1.7x1.7 hole 1.1: A(1.65,3.99)
  round 1.7 hole 1.1: B(4.32,0) C(3.05,-3.05) D(0,-4.32) E(-3.05,-3.05) F(-4.32,0) G(-1.65,3.99) H(0,1.12)
  body extent -14.3,-14.3 14.3,14.3, height 35.9
XP_СНЦ144-10_13-вилка [mm]
  rect 1.7x1.7 hole 1.1: A(0,4.95)
  round 1.7 hole 1.1: B(3.18,3.81) C(4.9,0.76) D(4.17,-2.67) E(0,-3.43) F(-4.17,-2.67) G(-4.9,0.76) H(-3.18,3.81) J(1.65,-0.38) K(-1.65,-0.38)
  body extent -14.3,-14.3 14.3,14.3, height 35.9
XP_СНЦ144-19/15-вилка [mm]
  rect 1.7x1.7 hole 1.1: A(0,5.72)
  round 1.7 hole 1.1: B(3.3,5.72) C(4.95,2.87) D(6.6,0) E(4.95,-2.87) F(3.3,-5.72) G(0,-5.72) H(-3.3,-5.72) J(-4.95,-2.87) K(-6.6,0) L(-4.95,2.87) M(-3.3,5.72) N(-1.65,2.87) P(1.65,2.87) R(3.3,0) S(1.65,-2.87) T(-1.65,-2.87) U(-3.3,0) V(0,0)
  body extent -15.5,-15.5 15.5,15.5, height 34.9
XP_СНЦ144-41_21-вилка [mm]
  rect 1.7x1.7 hole 1.1: A(0,10.6)
  round 1.7 hole 1.1: aa(7.15,0.87) B(3.28,10.09) bb(6.73,-2.55) C(6.23,8.58) cc(4.78,-5.39) D(8.58,6.23) dd(1.72,-6.99) E(10.09,3.28) ee(-1.72,-6.99) F(10.6,0) ff(-4.78,-5.39) G(10.09,-3.28) gg(-6.73,-2.55) H(8.58,-6.23) hh(-7.15,0.87) ii(-5.93,4.09) J(6.23,-8.58) jj(-3.35,6.38) K(3.28,-10.09) kk(0,3.81) L(0,-10.6) M(-3.28,-10.09) mm(2.98,2.38) N(-6.23,-8.58) nn(3.71,-0.85) P(-8.58,-6.23) pp(1.65,-3.43) qq(-1.65,-3.43) R(-10.09,-3.28) rr(-3.71,-0.85) S(-10.6,0) ss(-2.98,2.38) T(-10.09,3.28) tt(0,0) U(-8.58,6.23) V(-6.23,8.58) W(-3.28,10.09) X(0,7.2) Y(3.35,6.38) Z(5.93,4.09)
  body extent -19.85,-19.87 19.85,19.83, height 34.8
К53-67 [mm]
  rect 2x1.7 smd: 1(-2.15,0) 2(2.15,0)
К53-68E [mm]
  rect 2x2.5 smd: 1(-3.35,0) 2(3.35,0)
ПЛАН_ПЛОЩ [mm]
  rect 2.1x0.8 smd: 1(0,0)
РЭК60 [mm]
  round 1.4 hole 0.8: 2(9.3,1.25) 11(2.3,1.25) 12(6.7,-1.25) 13(1.85,-1.25) 21(8.7,-1.25) 22(4.3,1.25) A(6.3,1.25) B(4.7,-1.25)
ТИЛ6В [mm]
  rect 4x0.8 smd: 1(-6.5,3.75) 2(-6.5,2.5) 3(-6.5,-3.75) 4(-6.5,-2.3) 5(6.5,-3.75) 6(6.5,-2.5) 7(6.5,2.5) 8(6.5,3.75)